# Altium PCB PCB_AutoRoute.PcbDoc (part 2 of 2)
Units mm, origin at the board's own origin, x right, y up, seen from the top; angles counter-clockwise.
Board outline 100 x 100 mm, 4 copper layers (Top Layer, AGND, PWR, Bottom Layer), stack 1.747 mm thick; 183 components, 95 nets, 503 pads, 230 vias.
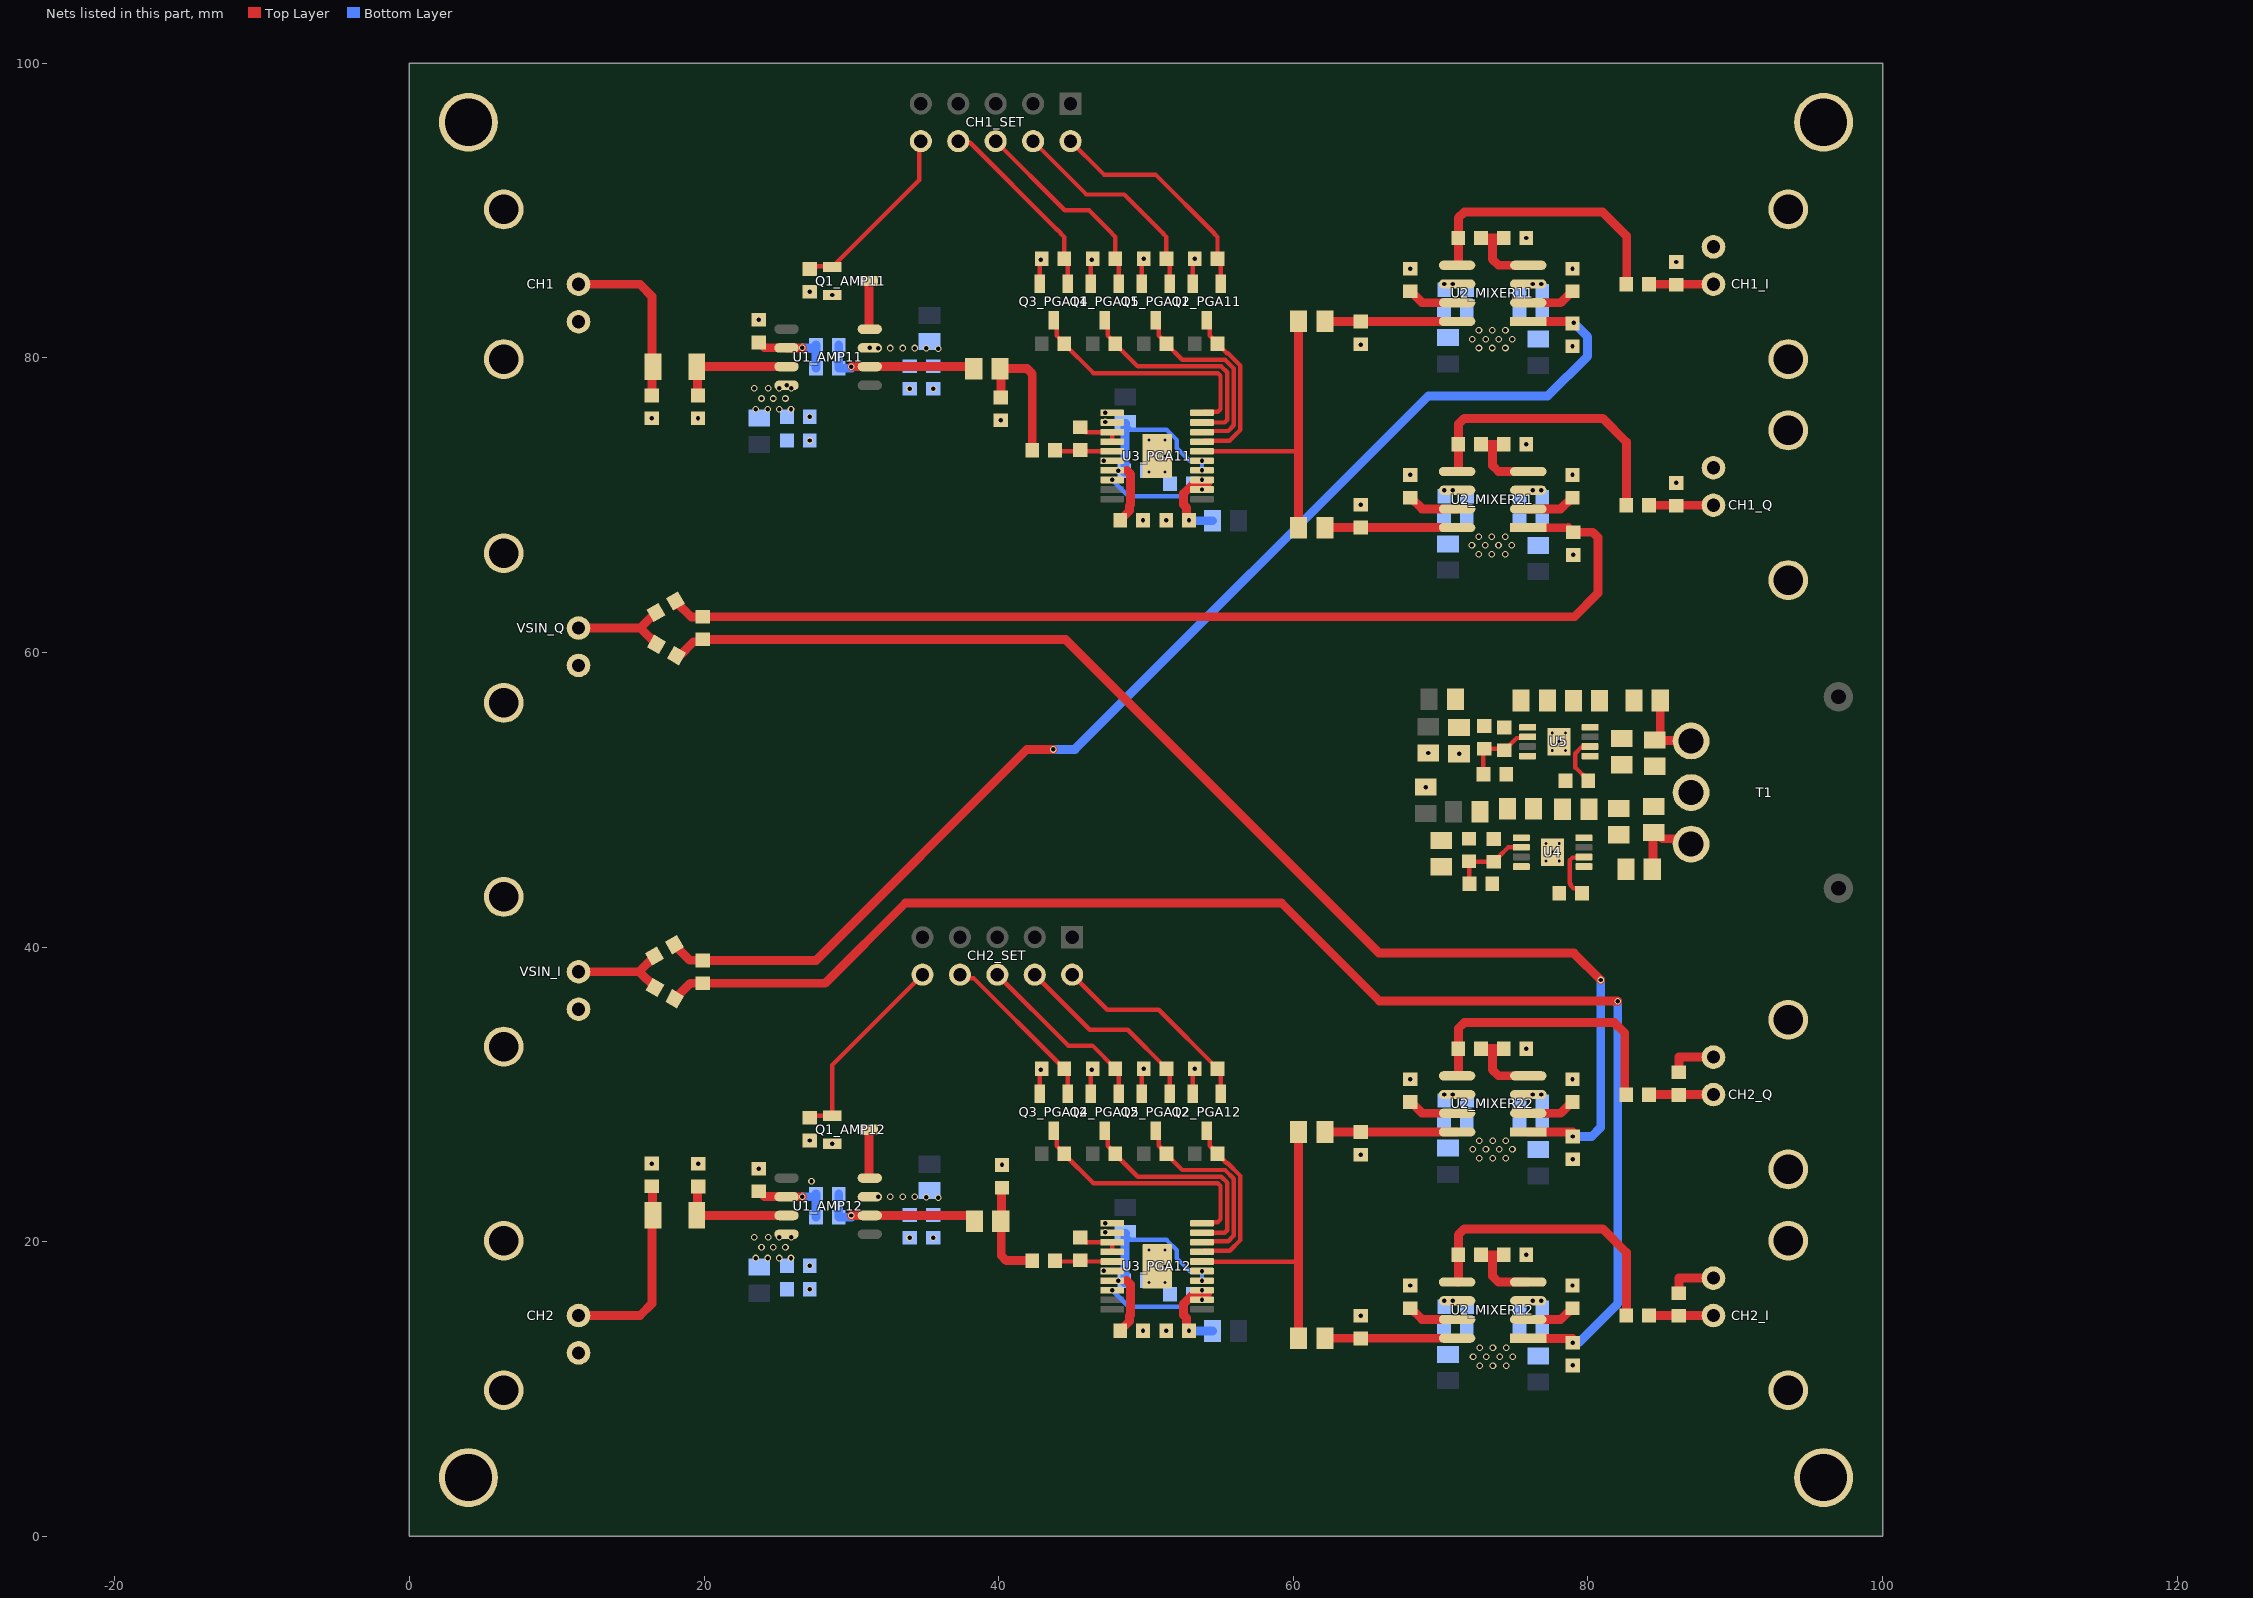
[diagram p4: the nets of this part, all layers, seen from the top]

## Via types
v1: diameter 0.45, hole 0.3, Top Layer to Bottom Layer, 208 vias
v2: diameter 0.5, hole 0.2, Top Layer to Bottom Layer, 12 vias
v3: diameter 0.5, hole 0.2, Top Layer to Bottom Layer, tented both sides, 10 vias

## Nets (pads, with @x,y where several pads share a name; then routed paths per layer and width w, separated by ;. In a path a pad name is that pad's centre, name@x,y a point inside that pad or via, vN(x,y) a via of type N, cw(c..) or ccw(c..) an arc to the next point about the centre after c; other vN are vias at no path point) (continued)
AGND: C2_CH1.1 C2_CH2.1 C3_CH1.1 C3_CH2.1 C4_AMP11.1 C4_AMP12.1 C5_AMP11.1 C5_AMP12.1 C6_AMP11.1 C6_AMP12.1 C7_AMP11.1 C7_AMP12.1 C9_MIXER11.1 C9_MIXER12.1 C9_MIXER21.1 C9_MIXER22.1 C10_MIXER11.1 C10_MIXER12.1 C10_MIXER21.1 C10_MIXER22.1 C11_MIXER11.1 C11_MIXER12.1 C11_MIXER21.1 C11_MIXER22.1 C12_MIXER11.1 C12_MIXER12.1 C12_MIXER21.1 C12_MIXER22.1 C13_PGA11.1 C13_PGA12.1 C14_PGA11.1 C14_PGA12.1 C15_PGA11.1 C15_PGA12.1 C16_PGA11.1 C16_PGA12.1 C19.1 C20.1 C21.1 C22.1 C24.1 C25.1 C26.1 C27.2 C28.2 C29.2 C30.2 C33.1 C34.1 C35.1 CH1.MH CH1_I.MH CH1_Q.MH CH2.MH CH2_I.MH CH2_Q.MH pad.MACH Q1_AMP11.2 Q1_AMP12.2 Q2_PGA11.2 Q2_PGA12.2 Q3_PGA11.2 Q3_PGA12.2 Q4_PGA11.2 Q4_PGA12.2 Q5_PGA11.2 Q5_PGA12.2 R3_AMP11.1 R3_AMP12.1 R5_AMP11.1 R5_AMP12.1 R7_MIXER11.1 R7_MIXER12.1 R7_MIXER21.1 R7_MIXER22.1 R11_PGA11.1 R11_PGA12.1 R13_PGA11.1 R13_PGA12.1 R15_PGA11.1 R15_PGA12.1 R17_PGA11.1 R17_PGA12.1 R20.1 R21.1 R23.1 R24.1 R28.1 R29.1 R30.1 R31.1 R33.1 R34.1 R41_MIXER11.1 R41_MIXER12.1 R41_MIXER21.1 R41_MIXER22.1 R42_MIXER11.1 R42_MIXER12.1 R42_MIXER21.1 R42_MIXER22.1 R43_CH1.1 R43_CH2.1 R44_CH1.1 R44_CH2.1 R45_CH1.1 R45_CH2.1 T1.2 U3_PGA11.1 U3_PGA11.2 U3_PGA11.6 U3_PGA11.21 U3_PGA12.1 U3_PGA12.2 U3_PGA12.6 U3_PGA12.21 U4.4 U4.9 U5.4 U5.9 VSIN_I.MH VSIN_Q.MH | length 20.7
  Top Layer w0.3: Q3_PGA12.2@42.782,30.048 42.782,31.611 R13_PGA12.1@42.914,31.743 ; Q3_PGA11.2@42.782,85.048 42.782,86.611 R13_PGA11.1@42.914,86.743 ; Q4_PGA12.2@46.249,30.048 46.249,31.611 R15_PGA12.1@46.381,31.743 ; Q4_PGA11.2@46.249,85.048 46.249,86.611 R15_PGA11.1@46.381,86.743 ; Q5_PGA12.2@49.715,30.048 49.715,31.611 v1(49.847,31.743) ; Q5_PGA11.2@49.715,85.048 49.715,86.611 v1(49.847,86.743) ; Q2_PGA12.2@53.182,30.048 53.182,31.611 v1(53.314,31.743) ; Q2_PGA11.2@53.182,85.048 53.182,86.611 v1(53.314,86.743)
  Top Layer w0.6: C2_CH2.1@86.175,16.515 86.175,17.54 CH2_I.MH@88.52,17.54 ; C3_CH2.1@86.175,31.515 86.175,32.54 CH2_Q.MH@88.52,32.54
  other v1: 72.65,11.6 73.55,11.6 74.45,11.6 78.975,11.61 72.2,12.2 73.1,12.2 74,12.2 74.9,12.2 72.65,12.8 73.55,12.8 74.45,12.8 49.795,13.975 51.38,13.975 64.575,14.98 27.17,16.775 67.95,17.04 78.95,17.04 47.125,18.025 27.17,18.375 75.82,19.12 33.95,20.28 35.55,20.28 47.225,20.65 47.225,21.275 27.295,24.125 23.725,24.97 40.225,25.22 19.6,25.295 16.45,25.315 78.975,25.61 72.625,25.675 73.525,25.675 74.425,25.675 64.575,25.915 72.175,26.275 73.075,26.275 73.975,26.275 74.875,26.275 28.7,26.65 72.625,26.875 73.525,26.875 74.425,26.875 27.175,26.88 67.95,31.04 78.95,31.04 42.848,31.677 46.315,31.677 75.82,33.12 69,50.865 71.25,53.135 69.15,53.185 79,66.63 72.575,66.675 73.475,66.675 74.375,66.675 72.125,67.275 73.025,67.275 73.925,67.275 74.825,67.275 72.575,67.875 73.475,67.875 74.375,67.875 49.795,68.975 51.38,68.975 64.575,70.025 86,71.515 67.95,72.06 78.95,72.06 47.125,73.025 75.82,74.14 27.17,74.397 47.225,75.65 40.15,75.78 16.46,75.905 19.59,75.905 27.17,75.997 47.225,76.275 33.95,77.902 35.55,77.902 72.6,80.675 73.5,80.675 74.4,80.675 78.95,80.8 64.575,80.9 72.15,81.275 73.05,81.275 73.95,81.275 74.85,81.275 72.6,81.875 73.5,81.875 74.4,81.875 23.725,82.592 28.7,84.272 27.175,84.502 67.95,86.06 78.95,86.06 86,86.515 42.848,86.677 46.315,86.677 75.82,88.14
  other v2: 50.202,17.243 51.302,17.243 50.202,18.343 51.302,18.343 50.202,19.443 51.302,19.443 50.202,72.243 51.302,72.243 50.202,73.343 51.302,73.343 50.202,74.443 51.302,74.443
  other v3: 77.15,45.85 78.05,45.85 77.6,46.45 77.15,47.05 78.05,47.05 77.575,53.35 78.475,53.35 78.025,53.95 77.575,54.55 78.475,54.55
AVDD_AMP11: C4_AMP11.2 C5_AMP11.2 FB1_AMP11.2 U1_AMP11.7
  other v1: 35.9,80.622 35.075,80.647 31.825,80.672 32.65,80.672 33.5,80.672 34.3,80.672 31.25,80.682
AVDD_AMP12: C4_AMP12.2 C5_AMP12.2 FB1_AMP12.2 U1_AMP12.7
  other v1: 35.9,23 35.075,23.025 31.825,23.05 32.65,23.05 33.5,23.05 34.3,23.05
AVDD_MIXER11: C9_MIXER11.2 C10_MIXER11.2 FB3_MIXER11.2 U2_MIXER11.6
  other v1: 70.243,85.02 70.818,85.02
AVDD_MIXER12: C9_MIXER12.2 C10_MIXER12.2 FB3_MIXER12.2 U2_MIXER12.6
  other v1: 70.243,16 70.818,16
AVDD_MIXER21: C9_MIXER21.2 C10_MIXER21.2 FB3_MIXER21.2 U2_MIXER21.6
  other v1: 70.243,71.02 70.818,71.02
AVDD_MIXER22: C9_MIXER22.2 C10_MIXER22.2 FB3_MIXER22.2 U2_MIXER22.6
  other v1: 70.243,30 70.818,30
AVDD_PGA11: C13_PGA11.2 C14_PGA11.2 FB5_PGA11.2 U3_PGA11.8 U3_PGA11.12 U3_PGA11.13 | length 12.2
  Top Layer w0.6: v1(52.92,68.975) 52.755,69.14 52.755,69.829 52.55,70.035 52.55,70.801 53.223,71.475 54.175,71.475
  Bottom Layer w0.3: v1(47.702,71.718) 48.82,70.6 52.55,70.6 53.018,71.068 v1(53.802,71.068)
  Bottom Layer w0.6: v1(52.92,68.975) 52.945,68.95 FB5_PGA11.2@54.51,68.95
  other v1: 53.802,71.718
AVDD_PGA12: C13_PGA12.2 C14_PGA12.2 FB5_PGA12.2 U3_PGA12.8 U3_PGA12.12 U3_PGA12.13 | length 12.2
  Top Layer w0.6: v1(52.92,13.975) 52.755,14.14 52.755,14.829 52.55,15.035 52.55,15.801 53.223,16.475 54.175,16.475
  Bottom Layer w0.3: v1(47.702,16.718) 48.82,15.6 52.55,15.6 53.018,16.068 v1(53.802,16.068)
  Bottom Layer w0.6: v1(52.92,13.975) 52.945,13.95 FB5_PGA12.2@54.51,13.95
  other v1: 53.802,16.718
AVEE_AMP11: C6_AMP11.2 C7_AMP11.2 FB2_AMP11.2 U1_AMP11.4
  other v1: 23.5,76.522 24.325,76.522 25.1,76.522 25.9,76.522 23.9,77.247 24.7,77.247 25.525,77.247 23.4,77.947 24.35,77.947 25.1,77.947 25.925,77.947 25.6,78.142
AVEE_AMP12: C6_AMP12.2 C7_AMP12.2 FB2_AMP12.2 U1_AMP12.4
  other v1: 23.5,18.9 24.325,18.9 25.1,18.9 25.9,18.9 23.9,19.625 24.7,19.625 25.525,19.625 23.4,20.325 24.35,20.325 25.1,20.325 25.925,20.325
AVEE_MIXER11: C11_MIXER11.2 C12_MIXER11.2 FB4_MIXER11.2 U2_MIXER11.3
  other v1: 76.25,85.02 76.825,85.02
AVEE_MIXER12: C11_MIXER12.2 C12_MIXER12.2 FB4_MIXER12.2 U2_MIXER12.3
  other v1: 76.25,16 76.825,16
AVEE_MIXER21: C11_MIXER21.2 C12_MIXER21.2 FB4_MIXER21.2 U2_MIXER21.3
  other v1: 76.25,71.02 76.825,71.02
AVEE_MIXER22: C11_MIXER22.2 C12_MIXER22.2 FB4_MIXER22.2 U2_MIXER22.3
  other v1: 76.25,30 76.825,30
AVEE_PGA11: C15_PGA11.2 C16_PGA11.2 FB6_PGA11.2 U3_PGA11.7 U3_PGA11.14 U3_PGA11.15 | length 14.4
  Top Layer w0.6: C15_PGA11.2@48.255,68.975 48.255,69 48.878,69.623 48.878,69.958 48.954,70.035 48.954,72.101 48.688,72.368
  Bottom Layer w0.3: FB6_PGA11.2@48.565,75.525 48.96,75.13 51.396,75.13 52.1,74.426 52.1,73.875 52.957,73.018 v1(53.802,73.018) v1(53.802,72.368)
  Bottom Layer w0.6: C16_PGA11.2@48.53,72.25 48.565,72.285 48.565,75.525 FB6_PGA11.2@48.6,75.56
  other v1: 48.125,72.35
AVEE_PGA12: C15_PGA12.2 C16_PGA12.2 FB6_PGA12.2 U3_PGA12.7 U3_PGA12.14 U3_PGA12.15 | length 14.4
  Top Layer w0.6: C15_PGA12.2@48.255,13.975 48.255,14 48.878,14.623 48.878,14.958 48.954,15.035 48.954,17.101 48.688,17.368
  Bottom Layer w0.3: FB6_PGA12.2@48.565,20.525 48.96,20.13 51.396,20.13 52.1,19.426 52.1,18.875 52.957,18.018 v1(53.802,18.018) v1(53.802,17.368)
  Bottom Layer w0.6: C16_PGA12.2@48.53,17.25 48.565,17.285 48.565,20.525 FB6_PGA12.2@48.6,20.56
  other v1: 48.125,17.35
CH1_CONT_BIT0: CH1_SET.10 Q1_AMP11.1 R5_AMP11.2 | length 12.9
  Top Layer w0.3: R5_AMP11.2@27.562,86.042 27.351,86.042 27.175,86.217 Q1_AMP11.1@28.472,86.217 ; Q1_AMP11.1@28.7,86.172 34.602,92.074 CH1_SET.10@34.602,94.83
CH1_CONT_BIT1: CH1_SET.2 Q2_PGA11.1 R11_PGA11.2 | length 16.1
  Top Layer w0.3: CH1_SET.2@44.762,94.83 47.147,92.445 50.644,92.445 54.626,88.463 54.626,88.438 54.854,88.21 R11_PGA11.2@54.854,86.743 55.082,86.515 Q2_PGA11.1@55.082,85.048
CH1_CONT_BIT2: CH1_SET.8 Q3_PGA11.1 R13_PGA11.2 | length 13.3
  Top Layer w0.3: CH1_SET.8@37.142,94.83 37.372,94.6 38.064,94.6 43.886,88.778 43.911,88.778 44.226,88.463 44.226,88.438 44.454,88.21 R13_PGA11.2@44.454,86.743 44.682,86.515 Q3_PGA11.1@44.682,85.048
CH1_CONT_BIT3: CH1_SET.6 Q4_PGA11.1 R15_PGA11.2 | length 14.3
  Top Layer w0.3: CH1_SET.6@39.682,94.83 44.492,90.02 46.136,90.02 47.693,88.463 47.693,88.438 47.921,88.21 R15_PGA11.2@47.921,86.743 48.149,86.515 Q4_PGA11.1@48.149,85.048
CH1_CONT_BIT4: CH1_SET.4 Q5_PGA11.1 R17_PGA11.2 | length 15.2
  Top Layer w0.3: CH1_SET.4@42.222,94.83 45.957,91.095 48.527,91.095 51.159,88.463 51.159,88.438 51.387,88.21 R17_PGA11.2@51.387,86.743 51.615,86.515 Q5_PGA11.1@51.615,85.048
CH2_CONT_BIT0: CH2_SET.10 Q1_AMP12.1 R5_AMP12.2 | length 13.7
  Top Layer w0.3: R5_AMP12.2@27.175,28.42 27.305,28.55 Q1_AMP12.1@28.7,28.55 28.7,32.005 CH2_SET.10@34.83,38.135
CH2_CONT_BIT1: CH2_SET.2 Q2_PGA12.1 R11_PGA12.2 | length 14.3
  Top Layer w0.3: CH2_SET.2@44.99,38.135 47.375,35.75 50.872,35.75 R11_PGA12.2@54.854,31.768 ; R11_PGA12.2@54.854,31.743 55.082,31.515 Q2_PGA12.1@55.082,30.048
CH2_CONT_BIT2: CH2_SET.8 Q3_PGA12.1 R13_PGA12.2 | length 11
  Top Layer w0.3: CH2_SET.8@37.37,38.135 37.6,37.905 38.292,37.905 R13_PGA12.2@44.114,32.083 ; R13_PGA12.2@44.454,31.743 44.682,31.515 Q3_PGA12.1@44.682,30.048
CH2_CONT_BIT3: CH2_SET.6 Q4_PGA12.1 R15_PGA12.2 | length 12.4
  Top Layer w0.3: CH2_SET.6@39.91,38.135 44.72,33.325 46.364,33.325 R15_PGA12.2@47.921,31.768 ; R15_PGA12.2@47.921,31.743 48.149,31.515 Q4_PGA12.1@48.149,30.048
CH2_CONT_BIT4: CH2_SET.4 Q5_PGA12.1 R17_PGA12.2 | length 13.4
  Top Layer w0.3: CH2_SET.4@42.45,38.135 46.185,34.4 48.755,34.4 R17_PGA12.2@51.387,31.768 ; R17_PGA12.2@51.387,31.743 51.615,31.515 Q5_PGA12.1@51.615,30.048
NetC1_CH1_1: C1_CH1.1 C8_AMP11.2 R4_AMP11.2 U1_AMP11.6 | length 11
  Top Layer w0.6: v1@30.025,79.412 U1_AMP11.6@31.25,79.412 38.31,79.412 C1_CH1.1@38.31,79.275
  Bottom Layer w0.6: C8_AMP11.2@29.145,80.872 R4_AMP11.2@29.145,79.297 30.025,79.297 v1@30.025,79.412
  other v1: 30,79.412
NetC1_CH1_2: C1_CH1.2 R8_PGA11.1 R43_CH1.2 | length 9.6
  Top Layer w0.6: R43_CH1.2@40.15,77.32 40.15,79.275 C1_CH1.2@40.09,79.275 41.931,79.275 42.282,78.924 R8_PGA11.1@42.282,73.723
NetC1_CH2_1: C1_CH2.1 C8_AMP12.2 R4_AMP12.2 U1_AMP12.6 | length 11.2
  Top Layer w0.6: v1(30,21.79) 38.08,21.79 38.36,21.51 C1_CH2.1@38.36,21.4
  Bottom Layer w0.6: C8_AMP12.2@29.145,23.25 R4_AMP12.2@29.145,21.675 30.025,21.675 v1@30.025,21.79
NetC1_CH2_2: C1_CH2.2 R8_PGA12.1 R43_CH2.2 | length 7.2
  Top Layer w0.6: C1_CH2.2@40.14,21.4 C1_CH2.2@40.175,21.435 ; R43_CH2.2@40.225,23.68 40.183,23.637 C1_CH2.2@40.183,21.75 ; R8_PGA12.1@42.282,18.723 40.526,18.723 40.175,19.074 C1_CH2.2@40.175,21.435 ; C1_CH2.2@40.175,21.435 40.175,21.742 C1_CH2.2@40.183,21.75 ; C1_CH2.2@40.175,21.435 40.183,21.442 C1_CH2.2@40.183,21.75
NetC2_CH1_2: C2_CH1.2 CH1_I.1 R1_CH1.1 | length 4.3
  Top Layer w0.6: R1_CH1.1@84.17,85 CH1_I.1@88.52,85
NetC2_CH2_2: C2_CH2.2 CH2_I.1 R1_CH2.1 | length 4.4
  Top Layer w0.6: R1_CH2.1@84.145,15 CH2_I.1@88.52,15
NetC3_CH1_2: C3_CH1.2 CH1_Q.1 R2_CH1.1 | length 4.3
  Top Layer w0.6: R2_CH1.1@84.17,70 CH1_Q.1@88.52,70
NetC3_CH2_2: C3_CH2.2 CH2_Q.1 R2_CH2.1 | length 4.4
  Top Layer w0.6: R2_CH2.1@84.145,30 CH2_Q.1@88.52,30
NetC8_AMP11_1: C8_AMP11.1 R3_AMP11.2 R4_AMP11.1 U1_AMP11.2 | length 5.7
  Top Layer w0.6: R3_AMP11.2@23.725,81.052 23.75,81.052 24.11,80.691 25.59,80.691 U1_AMP11.2@25.6,80.682 v1(26.675,80.682)
  Bottom Layer w0.6: v1(26.675,80.682) 27.44,80.682 C8_AMP11.1@27.605,80.847 ; R4_AMP11.1@27.605,79.297 C8_AMP11.1@27.605,80.847 ; C8_AMP11.1@27.605,80.872 C8_AMP11.1@27.605,80.847
NetC8_AMP12_1: C8_AMP12.1 R3_AMP12.2 R4_AMP12.1 U1_AMP12.2 | length 5.7
  Top Layer w0.6: R3_AMP12.2@23.725,23.43 23.75,23.43 24.11,23.07 25.59,23.07 U1_AMP12.2@25.6,23.06 v1(26.675,23.06)
  Bottom Layer w0.6: v1(26.675,23.06) 27.44,23.06 C8_AMP12.1@27.605,23.225 ; R4_AMP12.1@27.605,21.675 C8_AMP12.1@27.605,23.225 ; C8_AMP12.1@27.605,23.25 C8_AMP12.1@27.605,23.225
NetC17_1: C17.1 CH1.1 R20.2 | length 12.1
  Top Layer w0.6: CH1.1@11.48,85 15.65,85 16.46,84.19 R20.2@16.46,77.445
NetC17_2: C17.2 R21.2 U1_AMP11.3 | length 8.1
  Top Layer w0.6: R21.2@19.59,77.445 19.552,77.483 19.552,79.374 C17.2@19.515,79.412 U1_AMP11.3@25.6,79.412
NetC18_1: C18.1 CH2.1 R30.2 | length 14.1
  Top Layer w0.6: CH2.1@11.48,15 15.65,15 16.46,15.81 C18.1@16.46,22.555 ; R30.2@16.45,23.775 16.492,23.733 16.492,21.833 C18.1@16.535,21.79
NetC18_2: C18.2 R31.2 U1_AMP12.3 | length 8.1
  Top Layer w0.6: R31.2@19.6,23.755 19.557,23.712 19.557,21.833 C18.2@19.515,21.79 U1_AMP12.3@25.6,21.79
NetC19_2: C19.2 FB7.2 T1.1 | length 5.4
  Top Layer w0.6: FB7.2@84.365,45.3 84.42,45.355 84.42,47.73 C19.2@84.475,47.785 84.63,47.785 85.051,47.364 86.636,47.364 T1.1@87,47
NetC21_2: C21.2 C23.2 C25.2 FB8.2 R32.2 U4.1
NetC23_1: C23.1 R32.1 R33.2 U4.2 | length 5.5
  Top Layer w0.3: C23.1@71.925,45.83 C23.1@71.95,45.805 ; R33.2@71.955,44.3 71.955,45.8 C23.1@71.95,45.805 ; U4.2@75.475,46.775 74.57,46.775 73.94,46.145 73.94,46.12 73.625,45.805 C23.1@71.95,45.805
NetC26_2: C26.2 U4.6 | length 3.8
  Top Layer w0.3: C26.2@79.595,43.675 79.595,43.7 79.28,44.015 78.998,44.015 78.822,44.191 78.822,44.29 78.775,44.338 78.775,45.916 78.951,46.092 79.692,46.092 U4.6@79.725,46.125
NetC27_1: C27.1 FB9.1 T1.3 | length 5.3
  Top Layer w0.6: C27.1@84.525,54.065 84.557,54.033 C27.1@84.592,54.033 ; FB9.1@84.905,56.75 84.905,54.345 C27.1@84.592,54.033 ; T1.3@87,54 86.967,54.033 C27.1@84.592,54.033
NetC28_1: C28.1 C34.2 FB9.2 U5.5 U5.8
NetC29_1: C29.1 C35.2 C36.2 FB10.2 R35.2 U5.1
NetC31_CH1_1: C31_CH1.1 C32_CH1.1 U3_PGA11.16 | length 20.5
  Top Layer w0.3: U3_PGA11.16@53.802,73.668 60.253,73.668
  Top Layer w0.6: C32_CH1.1@60.36,68.48 60.36,73.775 C31_CH1.1@60.36,82.48
NetC31_CH1_2: C31_CH1.2 R44_CH1.2 U2_MIXER11.8 | length 9
  Top Layer w0.6: C31_CH1.2@62.14,82.48 U2_MIXER11.8@71.118,82.48
NetC31_CH2_1: C31_CH2.1 C32_CH2.1 U3_PGA12.16 | length 20.5
  Top Layer w0.3: U3_PGA12.16@53.802,18.648 60.253,18.648
  Top Layer w0.6: C31_CH2.1@60.36,13.46 60.36,18.755 C32_CH2.1@60.36,27.46
NetC31_CH2_2: C31_CH2.2 R44_CH2.2 U2_MIXER12.8 | length 9
  Top Layer w0.6: C31_CH2.2@62.14,13.46 U2_MIXER12.8@71.118,13.46
NetC32_CH1_2: C32_CH1.2 R45_CH1.2 U2_MIXER21.8 | length 9
  Top Layer w0.6: C32_CH1.2@62.14,68.48 U2_MIXER21.8@71.118,68.48
NetC32_CH2_2: C32_CH2.2 R45_CH2.2 U2_MIXER22.8 | length 9
  Top Layer w0.6: C32_CH2.2@62.14,27.46 U2_MIXER22.8@71.118,27.46
NetC33_2: C33.2 U5.6 | length 3.4
  Top Layer w0.3: C33.2@80.02,51.3 80.02,51.325 79.15,52.195 79.15,53.174 79.526,53.55 80.075,53.55 U5.6@80.15,53.625
NetC36_1: C36.1 R34.2 R35.1 U5.2 | length 5.1
  Top Layer w0.3: R34.2@72.905,51.75 72.905,53.41 C36.1@72.975,53.48 74.25,53.48 R35.1@74.35,53.38 ; R35.1@74.325,53.38 R35.1@74.35,53.38 ; U5.2@75.9,54.275 75.825,54.2 75.17,54.2 R35.1@74.35,53.38
NetQ1_AMP11_3: Q1_AMP11.3 U1_AMP11.8 | length 3.3
  Top Layer w0.6: Q1_AMP11.3@31.2,85.222 31.2,81.975 31.223,81.952 U1_AMP11.8@31.25,81.952
NetQ1_AMP12_3: Q1_AMP12.3 U1_AMP12.8 | length 3.3
  Top Layer w0.6: Q1_AMP12.3@31.2,27.6 31.2,24.353 31.223,24.33 U1_AMP12.8@31.25,24.33
NetQ2_PGA11_3: Q2_PGA11.3 R10_PGA11.1 U3_PGA11.17 | length 11.4
  Top Layer w0.3: U3_PGA11.17@53.802,74.318 53.877,74.393 55.677,74.393 56.412,75.128 56.412,79.472 55.556,80.328 55.474,80.328 54.854,80.948 54.854,80.998 54.332,81.52 54.332,82.348 Q2_PGA11.3@54.132,82.548
NetQ2_PGA12_3: Q2_PGA12.3 R10_PGA12.1 U3_PGA12.17 | length 11.4
  Top Layer w0.3: U3_PGA12.17@53.802,19.318 53.877,19.393 55.677,19.393 56.412,20.128 56.412,24.472 55.556,25.328 55.474,25.328 54.854,25.948 54.854,25.998 54.332,26.52 54.332,27.348 Q2_PGA12.3@54.132,27.548
NetQ3_PGA11_3: Q3_PGA11.3 R12_PGA11.1 U3_PGA11.20 | length 17
  Top Layer w0.3: Q3_PGA11.3@43.732,82.548 43.932,82.348 43.932,81.52 44.454,80.998 R12_PGA11.1@44.454,80.973 44.454,80.948 46.431,78.971 54.879,78.971 55.055,78.795 55.055,76.523 54.875,76.343 53.877,76.343 U3_PGA11.20@53.802,76.268
NetQ3_PGA12_3: Q3_PGA12.3 R12_PGA12.1 U3_PGA12.20 | length 17
  Top Layer w0.3: Q3_PGA12.3@43.732,27.548 43.932,27.348 43.932,26.52 44.454,25.998 R12_PGA12.1@44.454,25.973 44.454,25.948 46.431,23.971 54.879,23.971 55.055,23.795 55.055,21.523 54.875,21.343 53.877,21.343 U3_PGA12.20@53.802,21.268
NetQ4_PGA11_3: Q4_PGA11.3 R14_PGA11.1 U3_PGA11.19 | length 15.3
  Top Layer w0.3: Q4_PGA11.3@47.199,82.548 47.399,82.348 47.399,81.52 47.921,80.998 R14_PGA11.1@47.921,80.973 ; R14_PGA11.1@47.921,80.948 49.446,79.423 55.107,79.423 55.507,79.023 55.507,75.794 55.331,75.618 U3_PGA11.19@53.802,75.618
NetQ4_PGA12_3: Q4_PGA12.3 R14_PGA12.1 U3_PGA12.19 | length 15.3
  Top Layer w0.3: Q4_PGA12.3@47.199,27.548 47.399,27.348 47.399,26.52 47.921,25.998 R14_PGA12.1@47.921,25.973 ; R14_PGA12.1@47.921,25.948 49.446,24.423 55.107,24.423 55.507,24.023 55.507,20.794 55.331,20.618 U3_PGA12.19@53.802,20.618
NetQ5_PGA11_3: Q5_PGA11.3 R16_PGA11.1 U3_PGA11.18 | length 13.4
  Top Layer w0.3: Q5_PGA11.3@50.665,82.548 50.865,82.348 50.865,81.52 51.387,80.998 51.387,80.948 52.46,79.875 55.369,79.875 55.959,79.285 55.959,75.425 55.577,75.043 53.877,75.043 U3_PGA11.18@53.802,74.968
NetQ5_PGA12_3: Q5_PGA12.3 R16_PGA12.1 U3_PGA12.18 | length 13.4
  Top Layer w0.3: Q5_PGA12.3@50.665,27.548 50.865,27.348 50.865,26.52 51.387,25.998 51.387,25.948 52.46,24.875 55.369,24.875 55.959,24.285 55.959,20.425 55.577,20.043 53.877,20.043 U3_PGA12.18@53.802,19.968
NetR1_CH1_2: R1_CH1.2 R6_MIXER11.2 U2_MIXER11.5 | length 18.8
  Top Layer w0.6: U2_MIXER11.5@71.118,86.29 71.195,86.29 71.205,86.3 R6_MIXER11.2@71.205,88.14 71.205,89.505 71.6,89.9 81,89.9 82.63,88.27 R1_CH1.2@82.63,85
NetR1_CH2_2: R1_CH2.2 R6_MIXER12.2 U2_MIXER12.5 | length 19.8
  Top Layer w0.6: U2_MIXER12.5@71.118,17.27 71.195,17.27 71.205,17.28 R6_MIXER12.2@71.205,19.12 71.205,20.485 71.6,20.88 81,20.88 82.605,19.275 R1_CH2.2@82.605,15
NetR2_CH1_2: R2_CH1.2 R6_MIXER21.2 U2_MIXER21.5 | length 19.8
  Top Layer w0.6: U2_MIXER21.5@71.118,72.29 71.195,72.29 71.205,72.3 R6_MIXER21.2@71.205,74.14 71.205,75.505 71.6,75.9 81,75.9 82.605,74.295 R2_CH1.2@82.605,70
NetR2_CH2_2: R2_CH2.2 R6_MIXER22.2 U2_MIXER22.5 | length 19.3
  Top Layer w0.6: U2_MIXER22.5@71.118,31.27 71.195,31.27 71.205,31.28 R6_MIXER22.2@71.205,33.12 71.205,34.485 71.6,34.88 81.795,34.88 82.5,34.175 82.5,30.105 R2_CH2.2@82.605,30
NetR8_PGA11_2: R8_PGA11.2 R9_PGA11.1 U3_PGA11.5 | length 3.9
  Top Layer w0.3: R8_PGA11.2@43.822,73.723 43.877,73.668 U3_PGA11.5@47.702,73.668
NetR8_PGA12_2: R8_PGA12.2 R9_PGA12.1 U3_PGA12.5 | length 3.9
  Top Layer w0.3: R8_PGA12.2@43.822,18.723 43.877,18.668 U3_PGA12.5@47.702,18.668
NetR18_2: R18.2 R22.2 VSIN_Q.1 | length 7.3
  Top Layer w0.6: VSIN_Q.1@11.48,61.667 15.677,61.667 ; R18.2@16.741,62.73 15.678,61.667 15.677,61.667 ; R22.2@16.783,60.56 15.677,61.667
NetR25_2: R25.2 R27.2 VSIN_I.1 | length 7.1
  Top Layer w0.6: VSIN_I.1@11.48,38.333 15.583,38.333 ; R25.2@16.65,39.4 15.583,38.333 ; R27.2@16.675,37.27 15.612,38.333 15.583,38.333
NetR41_MIXER11_2: R41_MIXER11.2 U2_MIXER11.7 | length 3.5
  Top Layer w0.6: R41_MIXER11.2@67.95,84.52 67.975,84.52 68.745,83.75 U2_MIXER11.7@71.118,83.75
NetR41_MIXER12_2: R41_MIXER12.2 U2_MIXER12.7 | length 3.5
  Top Layer w0.6: R41_MIXER12.2@67.95,15.5 67.975,15.5 68.745,14.73 U2_MIXER12.7@71.118,14.73
NetR41_MIXER21_2: R41_MIXER21.2 U2_MIXER21.7 | length 3.5
  Top Layer w0.6: R41_MIXER21.2@67.95,70.52 67.975,70.52 68.745,69.75 U2_MIXER21.7@71.118,69.75
NetR41_MIXER22_2: R41_MIXER22.2 U2_MIXER22.7 | length 3.5
  Top Layer w0.6: R41_MIXER22.2@67.95,29.5 67.975,29.5 68.745,28.73 U2_MIXER22.7@71.118,28.73
NetR42_MIXER11_2: R42_MIXER11.2 U2_MIXER11.2 | length 3.3
  Top Layer w0.6: U2_MIXER11.2@75.95,83.75 78.155,83.75 78.925,84.52 R42_MIXER11.2@78.95,84.52
NetR42_MIXER12_2: R42_MIXER12.2 U2_MIXER12.2 | length 3.3
  Top Layer w0.6: U2_MIXER12.2@75.95,14.73 78.155,14.73 78.925,15.5 R42_MIXER12.2@78.95,15.5
NetR42_MIXER21_2: R42_MIXER21.2 U2_MIXER21.2 | length 3.3
  Top Layer w0.6: U2_MIXER21.2@75.95,69.75 78.155,69.75 78.925,70.52 R42_MIXER21.2@78.95,70.52
NetR42_MIXER22_2: R42_MIXER22.2 U2_MIXER22.2 | length 3.3
  Top Layer w0.6: U2_MIXER22.2@75.95,28.73 78.155,28.73 78.925,29.5 R42_MIXER22.2@78.95,29.5
VDD_13P0V: C20.2 C24.2 FB7.1 U4.5 U4.8
VINPGA-_PGA11: R9_PGA11.2 U3_PGA11.3 U3_PGA11.4 | length 3
  Top Layer w0.3: R9_PGA11.2@45.527,75.293 45.552,75.293 45.877,74.968 U3_PGA11.3@47.702,74.968 U3_PGA11.4@47.702,74.318
VINPGA-_PGA12: R9_PGA12.2 U3_PGA12.3 U3_PGA12.4 | length 3
  Top Layer w0.3: R9_PGA12.2@45.527,20.293 45.552,20.293 45.877,19.968 U3_PGA12.3@47.702,19.968 U3_PGA12.4@47.702,19.318
VSIN_I_CH1: R24.2 R25.1 R26.1 U2_MIXER11.1 | length 85.2
  Top Layer w0.6: R25.1@17.984,40.17 19.04,39.114 19.915,39.114 R26.1@19.925,39.103 27.603,39.103 41.925,53.425 v1(43.7,53.425) ; U2_MIXER11.1@75.95,82.48 75.961,82.469 78.946,82.469 v1(79.025,82.39)
  Bottom Layer w0.6: v1(43.7,53.425) 45.175,53.425 69.175,77.425 77.275,77.425 79.975,80.125 79.975,81.44 v1(79.025,82.39)
VSIN_I_CH2: R26.2 R27.1 R28.2 U2_MIXER12.1 | length 97.7
  Top Layer w0.6: R27.1@18.009,36.5 19.065,37.556 R26.2@19.918,37.556 ; R26.2@19.925,37.563 R26.2@19.918,37.556 ; U2_MIXER12.1@75.95,13.46 75.961,13.449 R28.2@78.676,13.449 ; R28.2@78.665,13.46 R28.2@78.676,13.449 ; v1(78.975,13.15) R28.2@78.676,13.449 ; R28.2@79.025,13.37 78.946,13.449 R28.2@78.676,13.449 ; v1(82.025,36.325) 82,36.35 65.85,36.35 59.2,43 33.675,43 28.231,37.556 R26.2@19.918,37.556
  Bottom Layer w0.6: v1(78.975,13.15) 79.375,13.15 82.025,15.8 v1(82.025,36.325)
VSIN_Q_CH1: R18.1 R19.1 R23.2 U2_MIXER21.1 | length 72.6
  Top Layer w0.6: R18.1@18.092,63.46 19.148,62.404 20.023,62.404 R19.1@20.033,62.393 ; R19.1@19.925,62.437 79.087,62.437 80.675,64.025 80.675,67.819 80.324,68.17 R23.2@79,68.17 ; U2_MIXER21.1@75.95,68.48 75.961,68.469 R23.2@78.676,68.469 ; R23.2@78.665,68.48 R23.2@78.676,68.469 ; R23.2@78.975,68.17 R23.2@78.676,68.469
VSIN_Q_CH2: R19.2 R22.1 R29.2 U2_MIXER22.1 | length 88.5
  Top Layer w0.6: R22.1@18.117,59.79 18.346,59.79 19.288,60.732 19.76,60.732 R19.2@19.925,60.897 44.528,60.897 65.825,39.6 79.043,39.6 v1(80.869,37.774) ; U2_MIXER22.1@75.95,27.46 75.961,27.449 R29.2@78.676,27.449 ; R29.2@78.665,27.46 R29.2@78.676,27.449 ; v1(78.975,27.15) R29.2@78.676,27.449 ; R29.2@79.025,27.37 78.946,27.449 R29.2@78.676,27.449
  Bottom Layer w0.6: v1(78.975,27.15) 80.25,27.15 80.869,27.769 v1(80.869,37.774)
Z_MIXER11: R6_MIXER11.1 R7_MIXER11.2 U2_MIXER11.4 | length 5.6
  Top Layer w0.6: R6_MIXER11.1@72.745,88.14 73.512,88.14 ; R7_MIXER11.2@74.28,88.14 73.512,88.14 ; U2_MIXER11.4@75.95,86.29 73.93,86.29 73.512,86.708 73.512,88.14
Z_MIXER12: R6_MIXER12.1 R7_MIXER12.2 U2_MIXER12.4 | length 5.6
  Top Layer w0.6: R6_MIXER12.1@72.745,19.12 73.512,19.12 ; R7_MIXER12.2@74.28,19.12 73.512,19.12 ; U2_MIXER12.4@75.95,17.27 73.93,17.27 73.512,17.687 73.512,19.12
Z_MIXER21: R6_MIXER21.1 R7_MIXER21.2 U2_MIXER21.4 | length 5.6
  Top Layer w0.6: R6_MIXER21.1@72.745,74.14 73.512,74.14 ; R7_MIXER21.2@74.28,74.14 73.512,74.14 ; U2_MIXER21.4@75.95,72.29 73.93,72.29 73.512,72.708 73.512,74.14
Z_MIXER22: R6_MIXER22.1 R7_MIXER22.2 U2_MIXER22.4 | length 5.6
  Top Layer w0.6: R6_MIXER22.1@72.745,33.12 73.512,33.12 ; R7_MIXER22.2@74.28,33.12 73.512,33.12 ; U2_MIXER22.4@75.95,31.27 73.93,31.27 73.512,31.687 73.512,33.12
pads on no net: T1.MACH U1_AMP11.1 U1_AMP11.5 U1_AMP12.1 U1_AMP12.5 U3_PGA11.9 U3_PGA11.10 U3_PGA11.11 U3_PGA12.9 U3_PGA12.10 U3_PGA12.11 U4.3 U4.7 U5.3 U5.7

## Polygon pours and split planes (outlines as drawn)
AGND on Bottom Layer "AGND_L04_P029" (solid, pour order 29): 49.625,19.825 49.625,15.925 52.125,15.925 52.125,19.825 49.6,19.825
AGND on Bottom Layer "AGND_L04_P028" (solid, pour order 28): 49.625,74.825 49.625,70.925 52.125,70.925 52.125,74.825 49.6,74.825
AVDD_MIXER11 on Bottom Layer "AVDD_MIXER11_L04_P021" (solid, pour order 21): 71.145,85.395 71.145,82.37 71.42,82.095 71.42,80.545 69.545,80.545 69.545,85.395
AVDD_MIXER21 on Bottom Layer "AVDD_MIXER21_L04_P018" (solid, pour order 18): 71.145,71.395 71.145,68.37 71.42,68.095 71.42,66.545 69.545,66.545 69.545,71.395
AVDD_MIXER22 on Bottom Layer "AVDD_MIXER22_L04_P015" (solid, pour order 15): 71.145,30.375 71.145,27.35 71.42,27.075 71.42,25.525 69.545,25.525 69.545,30.375
AVEE_AMP11 on Bottom Layer "AVEE_AMP11_L04_P024" (solid, pour order 24): 26.55,78.55 26.55,73.25 22.7,73.25 22.7,78.55
AVDD_AMP11 on Bottom Layer "AVDD_AMP11_L04_P023" (solid, pour order 23): 36.325,81.975 32.575,81.975 32.575,81.275 30.275,81.275 30.275,80.275 33.125,80.275 33.125,78.875 36.325,78.875
AVEE_MIXER21 on Bottom Layer "AVEE_MIXER21_L04_P017" (solid, pour order 17): 76,71.32 76,68.295 75.725,68.02 75.725,66.47 77.6,66.47 77.6,71.32
AGND on Bottom Layer "AGND_L04_P019" (solid, pour order 19): 71.145,71.395 76,71.395 76,66.47 71.42,66.47 71.42,66.545 71.145,66.545
AGND on Bottom Layer "AGND_L04_P022" (solid, pour order 22): 71.145,85.395 76,85.395 76,80.47 71.42,80.47 71.42,80.545 71.145,80.545
AVEE_MIXER11 on Bottom Layer "AVEE_MIXER11_L04_P020" (solid, pour order 20): 76,85.32 76,82.295 75.725,82.02 75.725,80.47 77.6,80.47 77.6,85.32
AGND on Bottom Layer "AGND_L04_P016" (solid, pour order 16): 71.145,30.375 76,30.375 76,25.45 71.42,25.45 71.42,25.525 71.145,25.525
AVEE_MIXER22 on Bottom Layer "AVEE_MIXER22_L04_P014" (solid, pour order 14): 76,30.3 76,27.275 75.725,27 75.725,25.45 77.6,25.45 77.6,30.3
AGND on Bottom Layer "AGND_L04_P013" (solid, pour order 13): 71.145,16.375 76,16.375 76,11.45 71.42,11.45 71.42,11.525 71.145,11.525
AVDD_MIXER12 on Bottom Layer "AVDD_MIXER12_L04_P012" (solid, pour order 12): 71.145,16.375 71.145,13.35 71.42,13.075 71.42,11.525 69.545,11.525 69.545,16.375
AVEE_MIXER12 on Bottom Layer "AVEE_MIXER12_L04_P011" (solid, pour order 11): 76,16.3 76,13.275 75.725,13 75.725,11.45 77.6,11.45 77.6,16.3
AVEE_AMP12 on Bottom Layer "NONET_L-01_P-001" (solid, pour order 6): 26.55,21.075 22.9,21.075 22.9,17.65 24.85,17.65 24.85,16.05 26.55,16.05
AVDD_AMP12 on Bottom Layer "NONET_L-01_P-001" (solid, pour order 5): 30.425,23.725 32.575,23.725 32.575,24.35 36.675,24.35 36.675,21.2 32.575,21.2 32.575,22.45 30.425,22.45
AVDD_AMP11 on Top Layer "NONET_L-01_P-001" (solid, pour order 27): 30.425,81.347 32.575,81.347 32.575,81.972 36.675,81.972 36.675,80.072 32.575,80.072 30.425,80.072
AVEE_AMP11 on Top Layer "NONET_L-01_P-001" (solid, pour order 26): 26.55,78.697 22.9,78.697 22.9,75.272 24.85,75.272 24.85,73.672 26.55,73.672
AGND on Top Layer "AGND_L01_P025" (solid, pour order 25): 67.3,59.175 67.3,42.15 99.975,42.15 99.975,59.175
NetC29_1 on Top Layer "NETC29_1_L01_P010" (solid, pour order 10): 70.175,57.9 70.175,54.275 76.575,54.275 76.575,57.9
NetC28_1 on Top Layer "NETC28_1_L01_P009" (solid, pour order 9): 79.45,57.825 79.45,52.525 81.175,52.525 81.175,53.175 83.525,53.175 83.525,55.2 84.025,55.2 84.025,57.825
NetC21_2 on Top Layer "NETC21_2_L01_P008" (solid, pour order 8): 71.825,50.65 75.45,50.65 75.45,47.85 76.25,47.85 76.25,47.15 74.75,47.15 74.75,46.6 69,46.6 69,48.25 71.825,48.25
VDD_13P0V on Top Layer "VDD_13P0V_L01_P007" (solid, pour order 7): 79.1,44.425 83.2,44.425 83.2,48.3 81,48.3 81,50.4 79.1,50.4 81,50.4 79.1,50.4
AVEE_AMP12 on Top Layer "NONET_L-01_P-001" (solid, pour order 4): 26.55,21.075 22.9,21.075 22.9,17.65 24.85,17.65 24.85,16.05 26.55,16.05
AVDD_AMP12 on Top Layer "NONET_L-01_P-001" (solid, pour order 3): 30.425,23.725 32.575,23.725 32.575,24.35 36.675,24.35 36.675,22.45 32.575,22.45 30.425,22.45
+AVEE_5P5V on PWR (split plane): 99.49,0.51 0.51,0.51 0.51,99.49 99.49,99.49
+AVDD_5P5V on PWR (split plane): 40.174,82.325 40.174,70.75 40.179,70.691 40.196,70.635 40.224,70.583 40.262,70.537 40.308,70.499 40.36,70.471 40.416,70.454 40.475,70.449 51.25,70.449 51.309,70.454 51.365,70.471 51.417,70.499 51.463,70.537 51.501,70.583 51.529,70.635 51.546,70.691 51.551,70.75 51.551,82.024 71.624,82.024 71.624,61.126 66.475,61.126 66.416,61.121 66.36,61.104 66.308,61.076 66.262,61.038 66.224,60.992 66.196,60.94 66.179,60.884 66.174,60.825 66.174,50.425 66.179,50.366 66.196,50.31 66.224,50.258 66.262,50.212 66.308,50.174 66.36,50.146 66.416,50.129 66.475,50.124 71.999,50.124 71.999,9.551 55.626,9.551 55.626,24.4 55.621,24.459 55.604,24.515 55.576,24.567 55.538,24.613 55.492,24.651 55.44,24.679 55.384,24.696 55.325,24.701 33.926,24.701 33.926,84.749 40.174,84.749
AGND on AGND (split plane): 99.49,0.51 0.51,0.51 0.51,99.49 99.49,99.49

## Other copper
PWR (plane layer: these items are gaps in the copper):
  rectangle: 50.202,17.243 51.302,19.443
  rectangle: 50.202,72.243 51.302,74.443
  lines w0.6: 33.625,24.4 33.625,85.05 40.475,85.05 40.475,82.325 40.475,70.75 51.25,70.75 51.25,82.325 71.925,82.325 71.925,60.825 66.475,60.825 66.475,50.425 72.3,50.425 72.3,9.25 55.325,9.25 55.325,24.4 33.625,24.4

## Silkscreen, mask and mechanical layers (free items; w line width, h text height)
Mechanical 1:
  the board outline again, w0.254
NOTE:
  text "FRONT" at -2.056,31.952 h5 r90